# KiCad board GIMIX DMA SASI.kicad_pcb (continued)
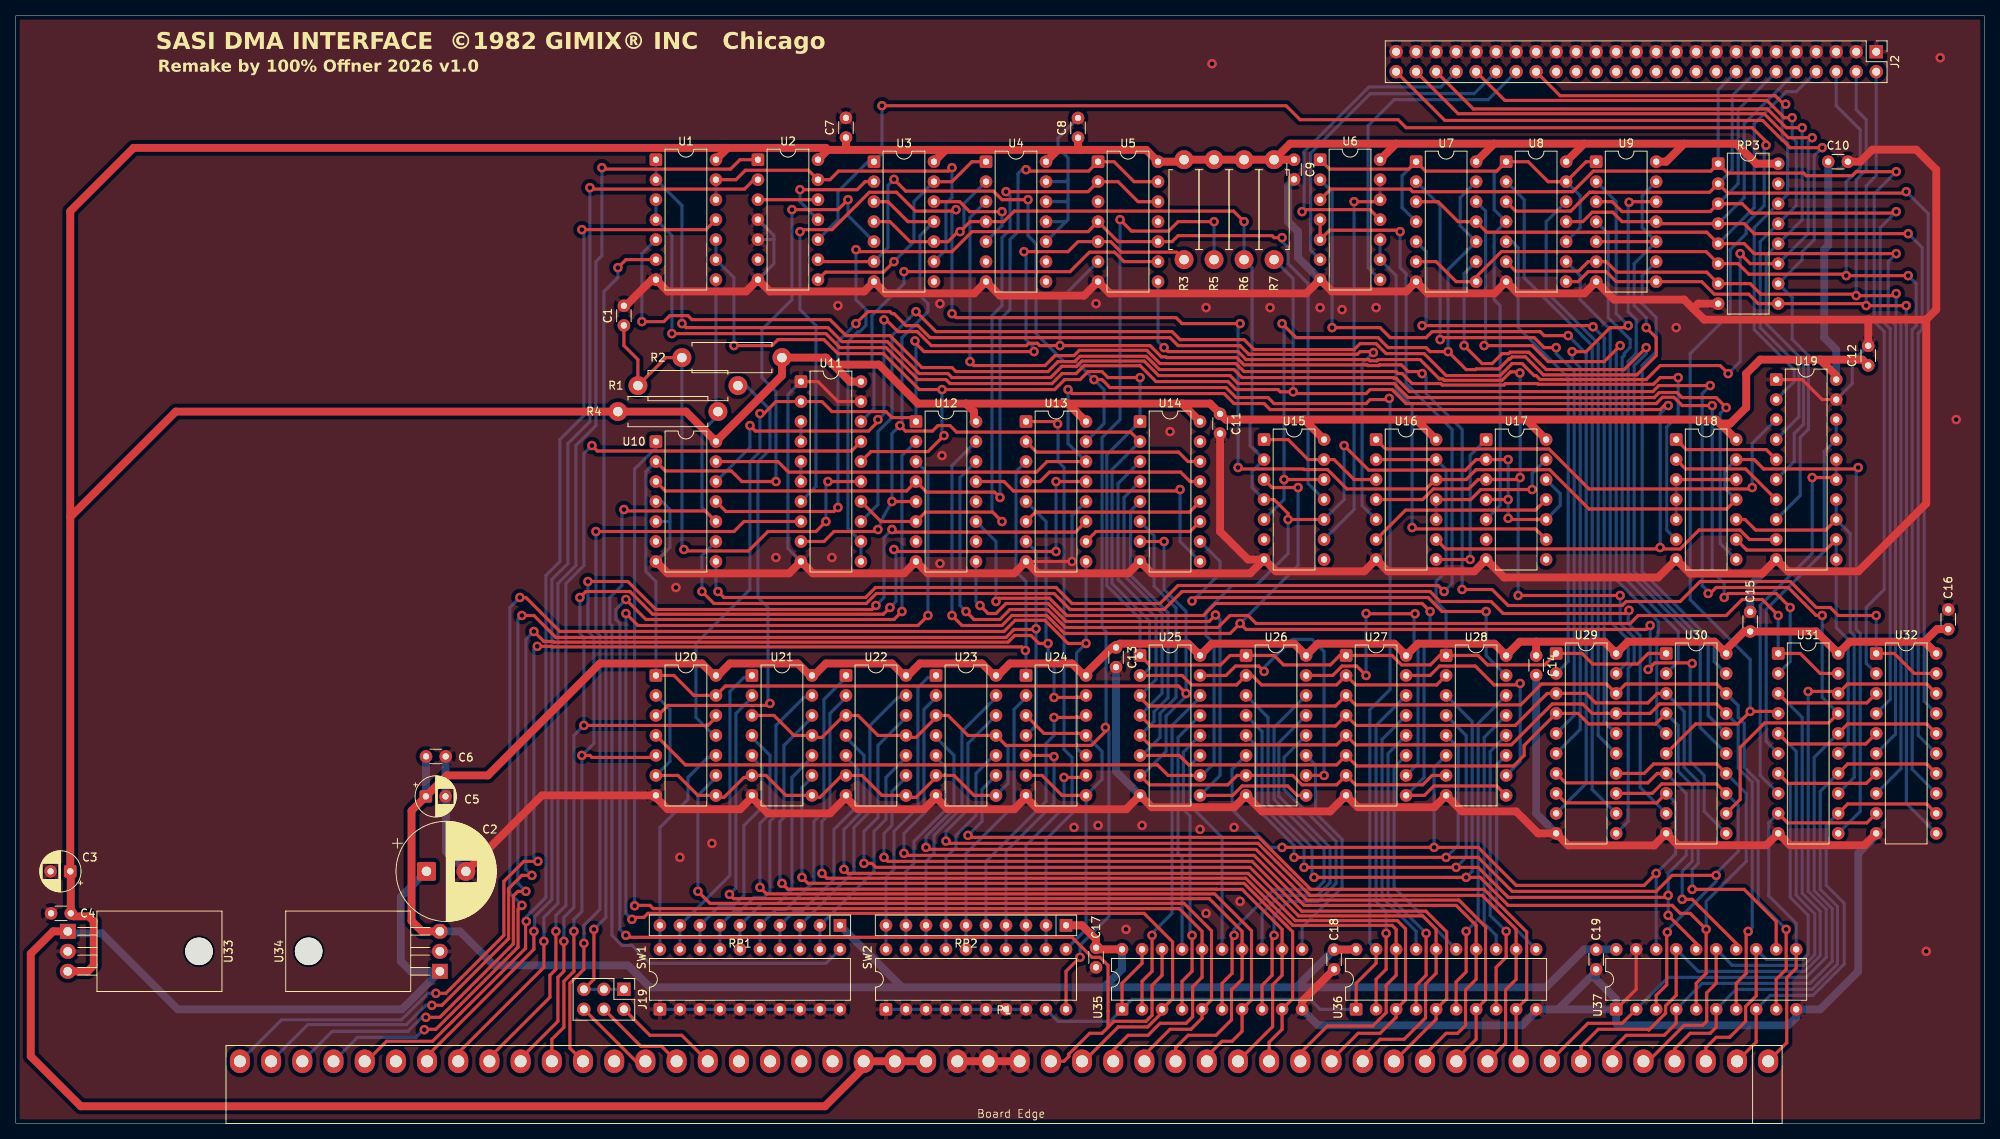
[diagram p0: board, top side]
## Routing (per net, layer and track width the routed paths; a pad name or vN(x,y) marks a point on that pad's centre or on a via; arc(x,y) is an arc through that point) (continued)
/SASI Interface/~{MSG#}: length 13.8
  Top w0.4: U19.5 222.25,85.6 212.09,85.6 U18.1
/SASI Interface/~{MSG}: length 88.8
  Top w0.4: v1(225.55,127.76) 224.54,127.76 222.34,129.96 189.07,129.96 J2.42
  Bottom w0.4: v1(225.55,127.76) 225.55,125.22 226.06,124.71 226.06,116.59 RP3.13 221.49,112.01 221.49,101.09 226.41,96.17 226.41,89.75 U19.4
/SASI Interface/~{REQ}: length 232.1
  Top w0.4: v1(114.3,103.12) 116.84,100.58 146.81,100.58 147.83,99.57 155.96,99.57 157.23,98.3 169.93,98.3 170.69,99.06 172.72,99.06 173.99,97.79 178.82,97.79 181.61,95 188.47,95 189.99,96.52 191.26,96.52 192.79,95 193.04,95 193.55,94.49 207.01,94.49 208.79,96.27 216.41,96.27 v1(217.42,95.25) ; J2.48 183.13,128.27 222,128.27 225.04,125.22 v1(228.09,125.22) ; v1(218.95,110.49) 220.22,109.22 RP3.11
  Bottom w0.4: v1(114.3,103.12) 111.25,100.08 111.25,89.66 109.47,87.88 109.47,78.61 U11.13 ; v1(228.09,125.22) 227.58,124.71 227.58,113.03 RP3.11 ; v1(217.42,95.25) 218.95,96.77 v1(218.95,110.49)
/SASI Interface/~{SD0}: length 144.4
  Top w0.4: v1(240.03,103.89) v1(234.95,103.89) 234.7,103.89 234.44,104.14 RP3.9 221.23,104.14 220.03,105.34 215.66,105.34 214.06,106.93 U9.8 203.2,106.93 201.93,108.2 199.64,108.2 198.37,106.93 U8.8
  Bottom w0.4: J2.2 236.22,120.4 234.95,119.13 v1(234.95,103.89) ; U32.11 240.05,40.62 240.05,101.42 240.03,101.44 v1(240.03,103.89)
/SASI Interface/~{SD1}: length 147
  Top w0.4: U8.6 190.43,108.27 198.44,108.27 199.64,109.47 U9.6 201.93,109.47 203.27,108.13 214.7,108.13 RP3.7 220.22,106.68 221.56,105.34 233.5,105.34 v1(233.68,105.16) 238.51,105.16 v1(238.76,105.41)
  Bottom w0.4: U32.8 239.36,45.05 239.36,101.76 238.76,102.36 v1(238.76,105.41) ; v1(233.68,105.16) 233.68,119.89 234.95,121.16 234.95,127.51 233.68,128.78 J2.4
/SASI Interface/~{SD2}: length 162.3
  Top w0.4: v1(240.28,107.7) v1(232.41,107.7) 232.23,107.88 220.03,107.88 218.69,109.22 RP3.6 214.63,110.74 188.64,110.74 185.42,107.53 U7.8 182.88,106.93 180.34,109.47 U7.6
  Bottom w0.4: U32.13 240.79,44.96 240.79,100.84 241.3,101.35 241.3,106.68 v1(240.28,107.7) ; J2.6 231.14,129.29 234.19,126.24 234.19,121.41 232.41,119.63 v1(232.41,107.7)
/SASI Interface/~{SD3}: length 156.8
  Top w0.4: v1(238.76,110.49) 220.73,110.49 219.46,111.76 RP3.5 214.7,113.21 186.76,113.21 U7.11 183.13,114.55 180.59,117.09 U7.3
  Bottom w0.4: U32.6 238.67,49.44 238.67,101.44 237.74,102.36 237.74,109.47 v1(238.76,110.49) ; J2.8 226.06,131.06 224.79,131.06 220.73,127 220.73,116.33 RP3.5
/SASI Interface/~{SD4}: length 136.4
  Top w0.4: U8.11 198.96,114.55 200.16,115.75 202.76,115.75 203.96,114.55 U9.11 208.53,114.3 RP3.4 219.46,114.3 220.73,113.03 v1(240.28,113.03)
  Bottom w0.4: RP3.4 219.46,117.6 219.46,127 J2.10 ; U32.15 241.55,49.28 241.55,100.37 242.06,100.88 242.06,111.25 v1(240.28,113.03)
/SASI Interface/~{SD5}: length 125.3
  Top w0.4: v1(238.76,115.82) 238.58,115.64 220.4,115.64 219.2,116.84 RP3.3 215.15,115.84 203.95,115.84 202.69,117.09 U9.3
  Bottom w0.4: RP3.3 218.69,119.38 218.69,128.78 J2.12 ; U32.4 238,53.85 238,100.92 236.73,102.19 236.73,113.79 v1(238.76,115.82)
/SASI Interface/~{SD6}: length 138.1
  Top w0.4: U8.3 190.43,115.89 197.43,115.89 199.83,118.29 200.16,118.29 ; v1(240.03,118.36) 239.85,118.18 217.35,118.18 RP3.2 215.07,118.29 200.16,118.29 ; 200.16,118.29 200.41,118.29
  Bottom w0.4: J2.14 217.93,130.56 217.93,121.16 RP3.2 ; U32.17 242.32,53.59 242.32,100.08 242.82,100.58 242.82,115.57 v1(240.03,118.36)
/SASI Interface/~{SD7}: length 155.7
  Top w0.4: v1(238.76,120.9) 233.68,120.9 233.17,120.4 227.33,120.4 227.01,120.72 217.35,120.72 RP3.1 215.21,120.97 200.3,120.97 197.69,118.36 177.37,118.36 177.05,118.69 166.95,118.69 U6.3
  Bottom w0.4: RP3.1 216.15,131.32 J2.16 ; U32.2 234.95,58.42 234.95,65.53 237.24,67.82 237.24,100.58 235.97,101.85 235.97,118.11 v1(238.76,120.9)
/SASI Interface/~{SEL}: length 41.8
  Top w0.4: v1(163.32,115.82) 163.58,116.08 171.96,116.08 U6.11
  Bottom w0.4: J2.44 180.94,131.66 171.8,131.66 163.58,123.44 163.58,116.08 v1(163.32,115.82)
/SASI Interface/~{SRST}: length 41.9
  Bottom w0.4: J2.40 185.17,130.81 171.96,130.81 164.41,123.25 164.41,110.93 U6.6
/SASI_RST: length 130.6
  Top w0.4: U10.10 87.56,77.79 77.4,77.79 v1(77.22,77.98)
  Bottom w0.4: SW1.11 102.87,20.32 80.52,20.32 78.23,22.61 76.96,22.61 75.69,23.88 75.69,63.25 75.44,63.5 75.44,66.8 76.96,68.33 76.96,77.72 v1(77.22,77.98) ; U1.8 88.9,89.66 87.12,87.88 87.12,78.23 U10.10
/SASIRQ: length 136.1
  Top w0.4: v1(211.07,94.74) 208.79,94.74 207.93,93.89 193.3,93.89 193.21,93.98 189.15,93.98 188.97,93.8 181.11,93.8 180.93,93.98 177.29,93.98 176.02,95.25 175.51,95.25 175.26,95.5 155.96,95.5 154.94,96.52 145.29,96.52 143.6,98.21 135.04,98.21 134.37,97.54 131.95,97.54 130.68,96.27 121.67,96.27 v1(121.16,96.77)
  Bottom w0.4: v1(121.16,96.77) 121.16,115.06 U4.3 ; v1(211.07,94.74) 211.07,89.92 209.62,88.46 209.62,75.37 U18.6
/SEL: length 84.6
  Top w0.4: v1(125.22,76.45) 124.02,77.65 115.5,77.65 U12.6 109.86,76.45 U11.14 ; v1(125.73,118.36) 136.14,118.36 U5.2 139.95,119.63 142.49,117.09 U5.12
  Bottom w0.4: v1(125.73,118.36) 126.24,117.86 126.24,113.28 125.98,113.28 125.22,112.52 125.22,103.89 123.95,102.62 123.95,77.72 v1(125.22,76.45)
/VMA: length 147.2
  Top w0.4: v1(109.22,65.79) 108.71,65.28 81.28,65.28 77.72,68.83 v1(72.64,68.83) ; v1(71.88,46.74) 72.9,46.74 73.15,46.48 81.03,46.48 U20.5 ; U13.11 134.55,75.11 111.58,75.11 v1(111.25,75.44) ; v1(70.87,24.38) 70.87,19.3 69.6,18.03 69.6,12.19 68.06,10.66 P1.40
  Bottom w0.4: v1(72.64,68.83) 72.64,62.48 73.41,61.72 73.41,48.26 v1(71.88,46.74) 71.88,26.92 70.87,25.91 v1(70.87,24.38) ; v1(111.25,75.44) 110.24,74.42 110.24,66.8 v1(109.22,65.79)
/~{BUSREQ}: length 138.4
  Top w0.4: v1(64.83,25.65) 64.73,25.56 64.73,22.23 52.92,10.41 47.07,10.41 44.53,7.87 P1.46 ; v1(71.88,113.54) 87.63,113.54 U1.11
  Bottom w0.4: v1(71.88,113.54) 72.14,113.28 72.14,89.92 69.09,86.87 69.09,71.37 67.31,69.6 67.31,28.7 64.83,26.22 v1(64.83,25.65)
/~{DMAWNDW}: length 242.9
  Top w0.4: v1(111.51,119.92) 113,118.43 124.14,118.43 125.22,117.35 v1(128.52,117.35) ; U36.19 172.72,20.32 170.18,17.78 U36.1 ; v1(174.39,92.09) 174.24,91.95 171.96,91.95 171.45,91.44 159.77,91.44 159,92.2 154.94,92.2 153.67,93.47 138.94,93.47 137.92,94.49 v1(136.91,94.49) ; U2.9 102.11,109.47 U3.6 ; U35.19 143,20.32 140.46,17.78 U35.1
  Bottom w0.4: U36.19 171.92,22.9 171.92,52.54 174.5,55.12 174.5,91.99 v1(174.39,92.09) ; v1(128.52,117.35) 128.52,112.78 129.54,111.76 129.54,100.33 133.1,96.77 134.62,96.77 v1(136.91,94.49) 138.18,93.22 138.18,88.9 U13.15 ; U3.6 110.74,111.25 110.74,119.16 v1(111.51,119.92) ; SW2.9 132.33,12.95 138.94,12.95 U35.1 141.73,15.75 164.34,15.75 165.61,14.48 U36.1
/~{DMAW}: length 36.7
  Top w0.4: U12.13 125.48,81.53 126.68,80.33 147.64,80.33 v1(147.83,80.52)
  Bottom w0.4: U14.9 147.83,73.91 v1(147.83,80.52)
/~{E}: length 172.3
  Top w0.4: v1(112.27,88.65) 112.96,87.95 116.4,87.95 117.09,88.65 118.62,88.65 119.45,87.81 141.55,87.81 U14.2 ; U11.9 102.62,73.91 103.89,75.18 109.22,75.18 v1(109.47,75.44) ; U3.11 113.28,114.55 110.74,117.09 U3.3 ; U28.2 180.41,55.7 170.11,55.7 U27.2 167.71,55.7 158.17,55.7 156.97,56.9 U26.2 155.01,55.7 149.28,55.7 148.08,56.9 U25.2 ; v1(111.25,78.99) U12.5
  Bottom w0.4: U3.11 114.81,112.78 114.81,105.16 115.82,104.14 115.82,103.12 112.52,99.82 112.52,88.9 v1(112.27,88.65) 111.25,87.63 v1(111.25,78.99) 110.24,77.22 v1(109.47,75.44) ; U25.2 143,56.9 143.95,57.84 143.95,63.82 139.19,68.58 139.19,83.06 U14.2
/~{FIRQ}: length 10.5
  Top w0.4: J19.6 78.74,7.87 P1.37
/~{IRQ}: length 12
  Top w0.4: P1.36 82,9.77 79.38,9.77 J19.4
/~{LDH}: length 106.8
  Top w0.4: v1(179.58,65.02) 178.56,66.04 152.31,66.04 150.79,64.52 133.44,64.52 131.25,66.71 124.88,66.71 v1(124.46,66.29) ; U28.9 188.03,42.86 180.04,42.86 178.84,41.66 U27.9
  Bottom w0.4: U27.9 178.82,43.94 178.82,60.45 179.58,61.21 v1(179.58,65.02) ; v1(124.46,66.29) 124.46,73.91 U12.11
/~{LDL}: length 76.6
  Top w0.4: v1(122.43,65.79) 123.44,64.77 124.46,64.77 125.73,66.04 131.07,66.04 133.36,63.75 151.51,63.75 v1(152.34,64.58) ; U26.9 162.7,41.66 161.5,42.86 155.71,42.86 154.51,41.66 U25.9
  Bottom w0.4: v1(122.43,65.79) 121.92,66.29 U12.9 ; U25.9 152.91,44.19 152.91,64.01 v1(152.34,64.58)
/~{NMI}: length 13.4
  Top w0.4: P1.35 84.56,11.18 80.52,11.18 J19.2
/~{RES}: length 118.6
  Top w0.4: v1(73.15,86.11) 73.84,85.41 106.11,85.41 U11.17 ; v1(68.58,24.38) 68.58,19.56 67.82,18.8 67.82,16 60.14,8.33 P1.42
  Bottom w0.4: v1(73.15,86.11) 72.14,85.09 72.14,70.87 69.85,68.58 69.85,27.69 68.58,26.42 v1(68.58,24.38)
/~{RE}: length 222.8
  Top w0.4: v1(93.22,88.65) 93.91,87.95 108.27,87.95 109.47,89.15 v1(109.47,89.41) ; U32.1 238.51,59.69 241.05,57.15 U32.19 ; v1(236.22,64.52) 231.39,64.52 230.38,65.53 228.6,65.53 225.3,68.83 213.87,68.83 211.33,66.29 204.47,66.29 203.96,65.79 189.48,65.79 187.45,67.82 v1(183.64,67.82) ; v1(110.24,102.07) 110.52,102.07 112.01,100.58 114.47,100.58 116.25,98.81 128.31,98.81 128.6,99.09 129.72,99.09 130.01,98.81 v1(132.59,98.81) 144.02,98.81 145.45,97.37 146.04,97.37 146.14,97.28 155.03,97.28 155.95,96.36 171.6,96.36 171.69,96.27 173.06,96.27 173.15,96.36 175.93,96.36 176.78,95.5 178.31,95.5 v1(178.56,95.25)
  Bottom w0.4: v1(109.47,89.41) 110.24,90.17 v1(110.24,102.07) ; v1(132.59,98.81) 132.59,104.65 U5.6 ; v1(93.22,88.65) 93.22,85.85 U10.12 ; v1(183.64,67.82) 183.64,88.14 179.07,92.71 179.07,94.74 v1(178.56,95.25) ; U32.1 v1(236.22,64.52)
/~{RST}: length 232.9
  Top w0.4: U11.16 108.58,85.34 115.82,85.34 v1(117.86,87.38) ; U30.1 207.26,59.69 205.92,58.35 200.22,58.35 198.88,59.69 U29.1 194.13,58.24 186.87,58.24 185.67,59.44 U28.1 180.81,59.44 179.61,58.24 175.95,58.24 174.75,59.44 U27.1 168.11,59.44 166.91,58.24 160.97,58.24 159.77,59.44 U26.1 154.18,59.44 152.98,58.24 143.95,58.24 U25.1 ; v1(91.19,98.81) 96.01,98.81 96.77,99.57 102.62,99.57 104.39,97.79 110.15,97.79 114.72,93.22 v1(117.6,93.22) 131.91,93.22 133.18,94.49 135.13,94.49 136.14,95.5 137.92,95.5 138.68,94.74 v1(142.75,94.74) ; U16.2 U16.13
  Bottom w0.4: v1(91.19,98.81) 91.19,107.44 U1.9 U1.10 ; v1(117.6,93.22) 117.6,87.63 v1(117.86,87.38) ; U28.1 181.61,65.02 180.34,66.29 180.34,68.83 181.61,70.1 181.61,83.06 U16.13 ; v1(142.75,94.74) U14.1 138.52,84.93 138.52,68.32 142.75,64.09 U25.1
/~{SASI_IRQ}: length 104
  Top w0.4: v1(73.41,24.64) 73.41,18.29 J19.5 ; v1(76.45,108.71) 77.47,109.73 U1.6
  Bottom w0.4: v1(76.45,108.71) 76.45,107.44 74.68,105.66 74.68,62.48 74.93,62.23 74.93,26.16 v1(73.41,24.64) ; J19.5 J19.1
/~{SASIR}: length 141.9
  Top w0.4: v1(223.77,64.52) 221.74,66.55 219.2,66.55 217.17,64.52 205.99,64.52 204.98,63.5 157.48,63.5 156.46,64.52 154.17,64.52 152.65,62.99 133.27,62.99 130.98,65.28 126.24,65.28 124.97,64.01 121.67,64.01 v1(120.65,65.02) ; U31.19 229.11,57.15 226.57,59.69 U31.1
  Bottom w0.4: U31.1 v1(223.77,64.52) ; v1(120.65,65.02) 119.89,65.79 119.89,82.04 U12.14
/~{SASIW}: length 175.4
  Top w0.4: v1(207.26,57.66) 208.1,58.49 212.78,58.49 v1(212.85,58.42) ; v1(207.52,63.25) 207.01,62.74 156.21,62.74 v1(155.45,63.5) 154.18,62.23 133.18,62.23 130.9,64.52 126.49,64.52 125.22,63.25 120.14,63.25 v1(118.87,64.52) ; U15.3 159.51,80.77 v1(162.81,80.77)
  Bottom w0.4: U12.15 118.87,83.57 v1(118.87,64.52) ; U30.11 214.38,39.62 214.38,44.2 212.6,45.97 212.6,58.17 v1(212.85,58.42) ; v1(155.45,63.5) 162.81,70.87 v1(162.81,80.77) ; v1(207.52,63.25) 207.52,57.91 v1(207.26,57.66)
/~{WE}: length 148.9
  Top w0.4: U16.4 178.64,79.25 179.98,80.59 184.47,80.59 185.67,81.79 U17.3 190.75,81.79 v1(191.01,82.04) ; v1(190.98,95.32) 190.83,95.47 189.79,95.47 188.72,94.4 181.36,94.4 181.18,94.58 180.76,94.58 178.31,97.03 172.97,97.03 172.81,96.87 171.94,96.87 171.78,97.03 156.21,97.03 155.19,98.04 146.3,98.04 v1(145.8,98.55) ; v1(203.71,67.06) v1(190.75,67.06)
  Bottom w0.4: v1(203.71,67.06) 203.71,63.5 205.49,61.72 205.49,58.59 204.72,57.83 204.72,38.35 U29.11 ; v1(190.75,67.06) 190.75,81.79 v1(191.01,82.04) 191.01,95.29 v1(190.98,95.32) ; v1(145.8,98.55) 145.03,99.31 U5.8
PUA: length 270.8
  Top w0.4: U3.4 111,114.55 113.54,112.01 U3.10 118.36,112.01 119.63,113.28 v1(119.89,113.28) 121.16,114.55 U4.4 125.44,114.55 126.78,115.89 154.62,115.89 v1(155.96,114.55) ; v1(189.48,84.33) U17.2 185.42,84.33 184.08,82.99 171.77,82.99 v1(168.66,86.11) ; U17.10 189.63,76.71 v1(189.48,76.86) ; U15.4 159.77,79.25 161.54,77.47 v1(161.54,76.71) U15.10 ; U20.4 85.02,45.54 144.96,45.54 146.3,44.2 U25.10 ; v1(189.48,79.25) U17.4
  Bottom w0.4: U15.10 168.66,79.25 v1(168.66,86.11) ; U17.10 196.09,78.49 196.09,80.01 U17.12 ; U25.10 150.62,44.2 152.15,45.72 152.15,60.96 151.13,61.98 151.13,65.02 154.43,68.33 157.48,68.33 161.54,72.39 v1(161.54,76.71) ; U15.4 156.97,80.77 156.97,82.8 U15.2 156.72,86.11 156.72,88.9 156.97,89.15 156.97,108.71 R6.2 v1(155.96,114.55) ; v1(119.89,113.28) 120.4,113.79 120.4,116.84 U4.2 ; v1(189.48,84.33) v1(189.48,79.25) v1(189.48,76.86)
Net-(C1-Pad1): length 69
  Top w0.4: v1(102.87,76.45) 101.6,75.18 95.5,75.18 93.03,72.71 85.02,72.71 v1(84.84,72.9) ; R2.2 82.55,97.28 R1.2 78.99,97.03 77.22,98.81 C1.1 ; v1(103.12,81.53) U11.15
  Bottom w0.4: R2.2 84.58,73.15 v1(84.84,72.9) ; v1(102.87,76.45) 102.87,81.28 v1(103.12,81.53)
Net-(R1-Pad1): length 59
  Top w0.4: v1(95.76,53.34) 95.5,53.09 82.8,53.09 81.53,51.82 U20.3
  Bottom w0.4: v1(95.76,53.34) 95.5,53.59 95.5,65.53 94.23,66.8 94.23,84.07 95.76,85.6 95.76,90.68 92.71,93.73 R1.1
Net-(R5-Pad2): length 246.1
  Top w0.4: U21.3 96.27,51.82 98.81,49.28 U21.11 101.35,49.02 102.36,49.02 104.9,51.56 105.16,51.56 U22.3 106.93,51.82 109.47,49.28 U22.11 113.28,49.02 114.3,49.02 116.84,51.56 U23.3 118.36,51.82 120.9,49.28 U23.11 125.73,48.01 136.57,48.01 138.35,49.78 v1(138.35,50.29) ; v1(140.21,114.81) 141.66,113.35 146.37,113.35 147.57,114.55 v1(152.15,114.55) ; U23.8 121.67,41.66 119.13,44.2 U23.6 116.84,43.94 114.3,41.4 113.28,41.4 U22.8 109.98,41.66 107.44,44.2 U22.6 105.16,43.94 104.65,43.94 102.11,41.4 101.35,41.4 U21.8 97.79,41.66 95.25,44.2 U21.6 93.22,43.94 92.46,43.94 89.92,41.4 89.15,41.4 U20.8 86.61,41.66 84.07,44.2 U20.6 ; SW2.10 133.35,19.3 v1(135.13,21.08)
  Bottom w0.4: U20.2 83.06,52.58 83.06,45.97 U20.6 ; v1(140.21,114.81) 140.21,89.41 137.92,87.12 137.92,62.99 138.43,62.48 138.43,50.37 v1(138.35,50.29) 138.8,49.84 138.8,26.28 135.13,22.61 v1(135.13,21.08) ; U23.11 125.98,47.75 125.98,43.18 U23.8 ; R5.2 v1(152.15,114.55)
Net-(SW2-Pad11): length 47.3
  Top w0.4: U24.11 135.64,49.53 130.56,49.53 U24.3 ; U24.6 130.3,44.2 132.84,41.66 U24.8
  Bottom w0.4: SW2.11 135.89,24.64 U24.8 137.92,43.69 137.92,47.24 U24.11
Net-(U1-Pad1): length 181.9
  Top w0.4: v1(217.17,90.93) 215.9,92.2 211.58,92.2 210.95,92.84 208.66,92.84 208.03,92.2 203.46,92.2 203.44,92.18 198.14,92.18 198.11,92.2 176.78,92.2 175.01,93.98 155.19,93.98 154.18,95 145.11,95 143.27,96.84 135.37,96.84 134.7,96.17 132.84,96.17 131.4,94.74 118.87,94.74 118.36,95.25 114.72,95.25 110.66,99.31 104.9,99.31 103.12,101.09 85.09,101.09 v1(84.58,101.6)
  Bottom w0.4: v1(84.58,101.6) 84.58,116.59 U1.2 U1.1 ; v1(217.17,90.93) 216.41,90.17 216.41,73.66 U18.8
Net-(U2-Pad12): length 7.6
  Top w0.4: U2.12 U2.3
Net-(U3A-D): length 14.6
  Top w0.4: v1(99.57,118.62) 106.82,118.62 107.83,119.63 U3.2
  Bottom w0.4: v1(99.57,118.62) 99.57,117.09 U2.11
Net-(U3B-D): length 13.8
  Top w0.4: U3.12 119.85,117.09 121.12,115.82 v1(125.22,115.82)
  Bottom w0.4: U4.5 125.22,114.05 v1(125.22,115.82)
Net-(U3B-Q): length 47
  Top w0.4: U1.13 91.44,119.89 92.64,121.09 100.65,121.09 U2.13 103.38,119.89 104.46,120.97 118.43,120.97 v1(118.87,121.41)
  Bottom w0.4: U1.12 U1.13 ; v1(118.87,121.41) 118.87,117.6 118.11,116.84 118.11,111 U3.9
Net-(U3B-~{R}): length 30.5
  Top w0.4: U4.1 121.41,122.17 118.87,119.63 U3.13 ; U2.8 102.8,108.13 110.17,108.13 v1(111.51,109.47)
  Bottom w0.4: U3.13 114.05,117.09 114.05,112.01 v1(111.51,109.47)
Net-(U10-Pad8): length 161.2
  Top w0.4: v1(181.36,67.56) 180.59,68.33 147.57,68.33 145.29,66.04 134.11,66.04 132.08,68.07 109.17,68.07 107.9,66.8 89.92,66.8 v1(89.15,67.56) ; U6.4 U6.5 166.81,113.47 175.58,113.47 v1(175.77,113.28)
  Bottom w0.4: U10.8 88.9,67.82 v1(89.15,67.56) ; v1(181.36,67.56) 182.37,68.58 182.37,88.14 176.53,93.98 176.53,107.95 175.77,108.71 v1(175.77,113.28)
Net-(U10-Pad11): length 131.9
  Top w0.4: U10.11 90.17,77.72 103.89,77.72 v1(104.39,78.23) ; v1(106.68,101.6) 108.2,103.12 111,103.12 111.25,102.87 111.51,102.87 113.03,101.35 114.55,101.35 116.08,99.82 146.56,99.82 147.57,98.81 155.45,98.81 156.56,97.7 170.34,97.7 170.69,98.04 172.25,98.04 v1(172.38,97.92)
  Bottom w0.4: v1(172.38,97.92) 170.94,96.49 170.94,78.49 U16.5 ; v1(104.39,78.23) 104.39,99.31 v1(106.68,101.6)
Net-(U11-Pad3): length 2.5
  Bottom w0.4: U11.3 U11.4
Net-(U11-Pad5): length 2.5
  Bottom w0.4: U11.5 U11.6
Net-(U11-Pad18): length 55.3
  Top w0.4: v1(112.78,108.2) 133.86,108.2 136.33,110.67 139.52,110.67 140.72,109.47 U5.9
  Bottom w0.4: v1(112.78,108.2) 112.78,106.68 108.71,102.62 108.71,96.77 108.97,96.52 108.97,90.81 U11.18
Net-(U12-A0): length 128.1
  Top w0.4: v1(128.02,110.74) 133.6,110.74 134.87,112.01 U5.5 139.02,112.01 140.36,110.67 147.39,110.67 R3.2 ; v1(94.49,90.17) 95,90.17 96.52,91.69 U11.2 102.36,91.69 103.63,90.42 110.49,90.42 111.25,89.66 113.79,89.66 U12.1 ; v1(129.29,98.04) 115.32,98.04 114.17,99.19 v1(114.17,99.4)
  Bottom w0.4: v1(94.49,90.17) 94.49,85.34 93.22,84.07 93.22,67.82 86.36,60.96 86.36,51.56 88.65,49.28 U20.11 ; U12.1 114.3,99.27 v1(114.17,99.4) ; v1(128.02,110.74) 128.27,110.49 128.27,99.57 129.29,98.55 v1(129.29,98.04)
Net-(U14-CET): length 57.6
  Top w0.4: v1(186.69,65.02) 181.1,65.02 179.33,66.8 149.8,66.8 v1(149.35,66.35)
  Bottom w0.4: U14.10 152.91,71.37 152.91,69.85 149.41,66.35 v1(149.35,66.35) ; v1(186.69,65.02) 186.69,59.44 U28.15
Net-(U14-Q0): length 23.2
  Top w0.4: U13.2 129.61,85.27 147.64,85.27 148.84,84.07 U14.14
Net-(U14-Q1): length 23.1
  Top w0.4: U13.4 130.05,81.53 131.25,82.73 147.9,82.73 149.1,81.53 U14.13
Net-(U14-Q2): length 23.2
  Top w0.4: U14.12 149.03,77.65 129.47,77.65 U13.6
Net-(U14-Q3): length 15.5
  Top w0.4: U13.10 137.16,75.18 149.1,75.18 U14.11
Net-(U15A-Q): length 141.9
  Top w0.4: v1(161.04,81.79) U15.12 ; v1(160.78,101.6) 162.56,99.82 172.97,99.82 174.24,98.55 179.07,98.55 179.58,98.04 v1(181.86,98.04) 184.15,95.76 185.33,95.76 185.43,95.85 188.31,95.85 189.58,97.12 189.74,97.12 190,97.37 191.68,97.37 193.96,95.09 205.83,95.09 208.28,97.54 208.28,99.82 v1(207.01,101.09) ; U9.5 U9.10
  Bottom w0.4: v1(207.01,101.09) 207.01,102.36 205.49,103.89 205.49,109.22 U9.10 206.5,113.79 206.5,117.86 U9.13 ; U15.5 161.04,79.25 v1(161.04,81.79) 161.04,101.35 v1(160.78,101.6) ; v1(181.86,98.04) 181.86,108.46 U7.10 183.39,114.05 183.39,117.6 U7.13
Net-(U15A-~{R}): length 16.3
  Top w0.4: U16.3 169.93,81.79 167.39,84.33 U15.13 164.08,84.33 161.54,86.87 U15.1
Net-(U15B-Q): length 50.5
  Top w0.4: U6.12 172.97,117.09 v1(169.93,117.09)
  Bottom w0.4: v1(169.93,117.09) 169.93,77.98 U15.9 ; U6.13 U6.12
Net-(U17A-Q): length 105.6
  Top w0.4: U6.1 166.81,121.23 176.85,121.23 U7.1 179,120.97 188.03,120.97 U8.1 192.02,122.17 194.56,119.63 U8.13 199.39,122.17 U9.1
  Bottom w0.4: U8.13 198.63,117.86 198.63,113.79 U8.10 ; U8.1 187.71,120.65 187.71,116.08 U8.4 187.71,113.03 187.71,104.65 188.47,103.89 188.47,78.49 U17.5 ; U7.4 176.02,116.33 176.02,120.4 U7.1
Net-(U17A-~{R}): length 20.4
  Top w0.4: v1(184.66,71.63) U16.8
  Bottom w0.4: v1(184.66,71.63) 184.66,84.84 U17.1
Net-(U17B-C): length 23.7
  Top w0.4: U17.11 192.97,77.91 176.46,77.91 U16.6
Net-(U17B-Q): length 55.9
  Top w0.4: U17.9 192.97,75.51 177.48,75.51 v1(177.29,75.69)
  Bottom w0.4: U6.10 U6.9 175.26,107.7 175.26,93.22 177.29,91.19 v1(177.29,75.69)
Net-(U17B-~{R}): length 19.8
  Top w0.4: v1(192.53,80.52) 186.01,80.52 184.74,79.25 U16.11
  Bottom w0.4: U16.11 U16.10 ; v1(192.53,80.52) 192.53,82.55 U17.13
Net-(U18-Pad12): length 12.7
  Top w0.4: U18.3 U18.12
  Bottom w0.4: U18.3 U18.5
Net-(U25-Q0): length 42.9
  Top w0.4: U35.2 143,18.03 144.27,19.3 v1(144.27,23.88)
  Bottom w0.4: U25.14 150.37,54.1 146.81,50.55 146.81,26.67 144.27,24.13 v1(144.27,23.88)
Net-(U25-Q1): length 31.1
  Bottom w0.4: U25.13 147.57,49.02 147.57,34.29 148.08,33.78 U35.17
Net-(U25-Q2): length 36.7
  Top w0.4: v1(149.35,23.88) 149.35,19.3 148.08,18.03 U35.4
  Bottom w0.4: v1(149.35,23.88) 149.1,24.13 149.1,39.03 148.24,39.88 148.24,47.15 U25.12
Net-(U25-Q3): length 26.8
  Bottom w0.4: U25.11 149.1,45.47 149.1,40.39 153.16,36.32 U35.15
Net-(U25-TC): length 37.2
  Top w0.4: v1(158.5,57.4) 157.8,58.1 154.87,58.1 153.67,56.9 U25.15 ; U26.10 v1(166.12,44.2)
  Bottom w0.4: v1(158.5,57.4) 158.5,57.91 162.05,61.47 164.59,61.47 166.12,59.94 v1(166.12,44.2)
Net-(U26-Q0): length 52.7
  Top w0.4: v1(154.69,23.88) 154.43,23.62 154.43,19.05 153.16,17.78 U35.6
  Bottom w0.4: v1(154.69,23.88) 154.69,24.64 159.77,29.72 165.1,29.72 166.12,30.73 166.12,34.8 159.77,41.15 159.77,50.29 U26.14
Net-(U26-Q1): length 40.2
  Bottom w0.4: U26.13 160.37,48.35 160.37,41.56 166.88,35.05 166.88,30.57 165.27,28.96 160.53,28.96 158.24,26.67 U35.13
Net-(U26-Q2): length 44.8
  Top w0.4: U35.8 158.24,17.53 159.51,18.8 159.51,23.62 v1(159.77,23.88)
  Bottom w0.4: U26.12 161.04,46.48 161.04,42.42 167.64,35.81 167.64,30.48 165.35,28.19 161.54,28.19 159.77,26.42 v1(159.77,23.88)
Net-(U26-Q3): length 28.6
  Bottom w0.4: U35.11 163.32,24.89 168.4,29.97 168.4,36.07 165.03,39.44 165.03,45.54 U26.11
Net-(U26-TC): length 44.1
  Top w0.4: v1(171.45,64.77) 171.48,64.74 v1(177.66,64.74) ; v1(171.45,56.9) 170.25,58.1 168.41,58.1 167.21,56.9 U26.15
  Bottom w0.4: U27.10 178.05,45.72 178.05,60.71 177.55,61.21 177.55,64.62 v1(177.66,64.74) ; v1(171.45,64.77) v1(171.45,56.9)
Net-(U27-Q0): length 42.5
  Top w0.4: U36.2 172.72,18.29 173.99,19.56 v1(173.99,24.13)
  Bottom w0.4: v1(173.99,24.13) 173.99,26.92 172.72,28.19 172.72,50.55 U27.14
Net-(U27-Q1): length 32.8
  Bottom w0.4: U27.13 173.48,48.77 173.48,28.7 177.8,24.38 U36.17
Net-(U27-Q2): length 38.3
  Top w0.4: v1(179.07,24.13) 179.07,18.8 177.8,17.53 U36.4
  Bottom w0.4: U27.12 174.24,46.99 174.24,28.96 v1(179.07,24.13)
Net-(U27-Q3): length 28.5
  Bottom w0.4: U36.15 175.01,29.97 175.01,45.21 U27.11
Net-(U27-TC): length 28.5
  Top w0.4: U27.15 179.58,56.9 180.78,58.1 185.31,58.1 187.71,55.7 190.82,55.7 v1(191.01,55.88)
  Bottom w0.4: U28.10 191.01,45.97 v1(191.01,55.88)
Net-(U28-Q0): length 42.5
  Top w0.4: U36.6 182.88,17.96 184.15,19.23 v1(184.15,24.38)
  Bottom w0.4: U28.14 185.67,50.8 185.67,25.91 v1(184.15,24.38)
Net-(U28-Q1): length 31.5
  Bottom w0.4: U36.13 187.96,23.88 186.44,25.4 186.44,49.02 U28.13
Net-(U28-Q2): length 37
  Top w0.4: v1(189.23,24.38) 189.23,21.08 187.96,19.81 U36.8
  Bottom w0.4: v1(189.23,24.38) 187.2,26.42 187.2,47.24 U28.12
Net-(U28-Q3): length 27.2
  Bottom w0.4: U28.11 188.03,45.54 188.03,27.11 U36.11

## Copper pours and planes (outline as drawn; the poured copper is in the pictures)
GND on Top, Bottom: -1.27,147.57 256.54,147.57 256.54,-8.64 255.27,-9.91 0,-9.91 -2.54,-7.37 -2.54,146.3

## Text on the board
F.Silkscreen: Remake by 100% Offner 2026 v1.0 | SASI DMA INTERFACE  ©1982 GIMIX® INC   Chicago
